# Altium PCB lora_gw_som_pcb.PcbDoc (part 1 of 3)
Units mm, origin at the board's own origin, x right, y up, seen from the top; angles counter-clockwise.
Board outline 30 x 50.95 mm, 6 copper layers (Top, GND-1, Signal-1, Signal-2, GND-2, Bottom), stack 0.926 mm thick; 205 components, 139 nets, 657 pads, 558 vias.
Unrouted connection lines stored in the file: 164.
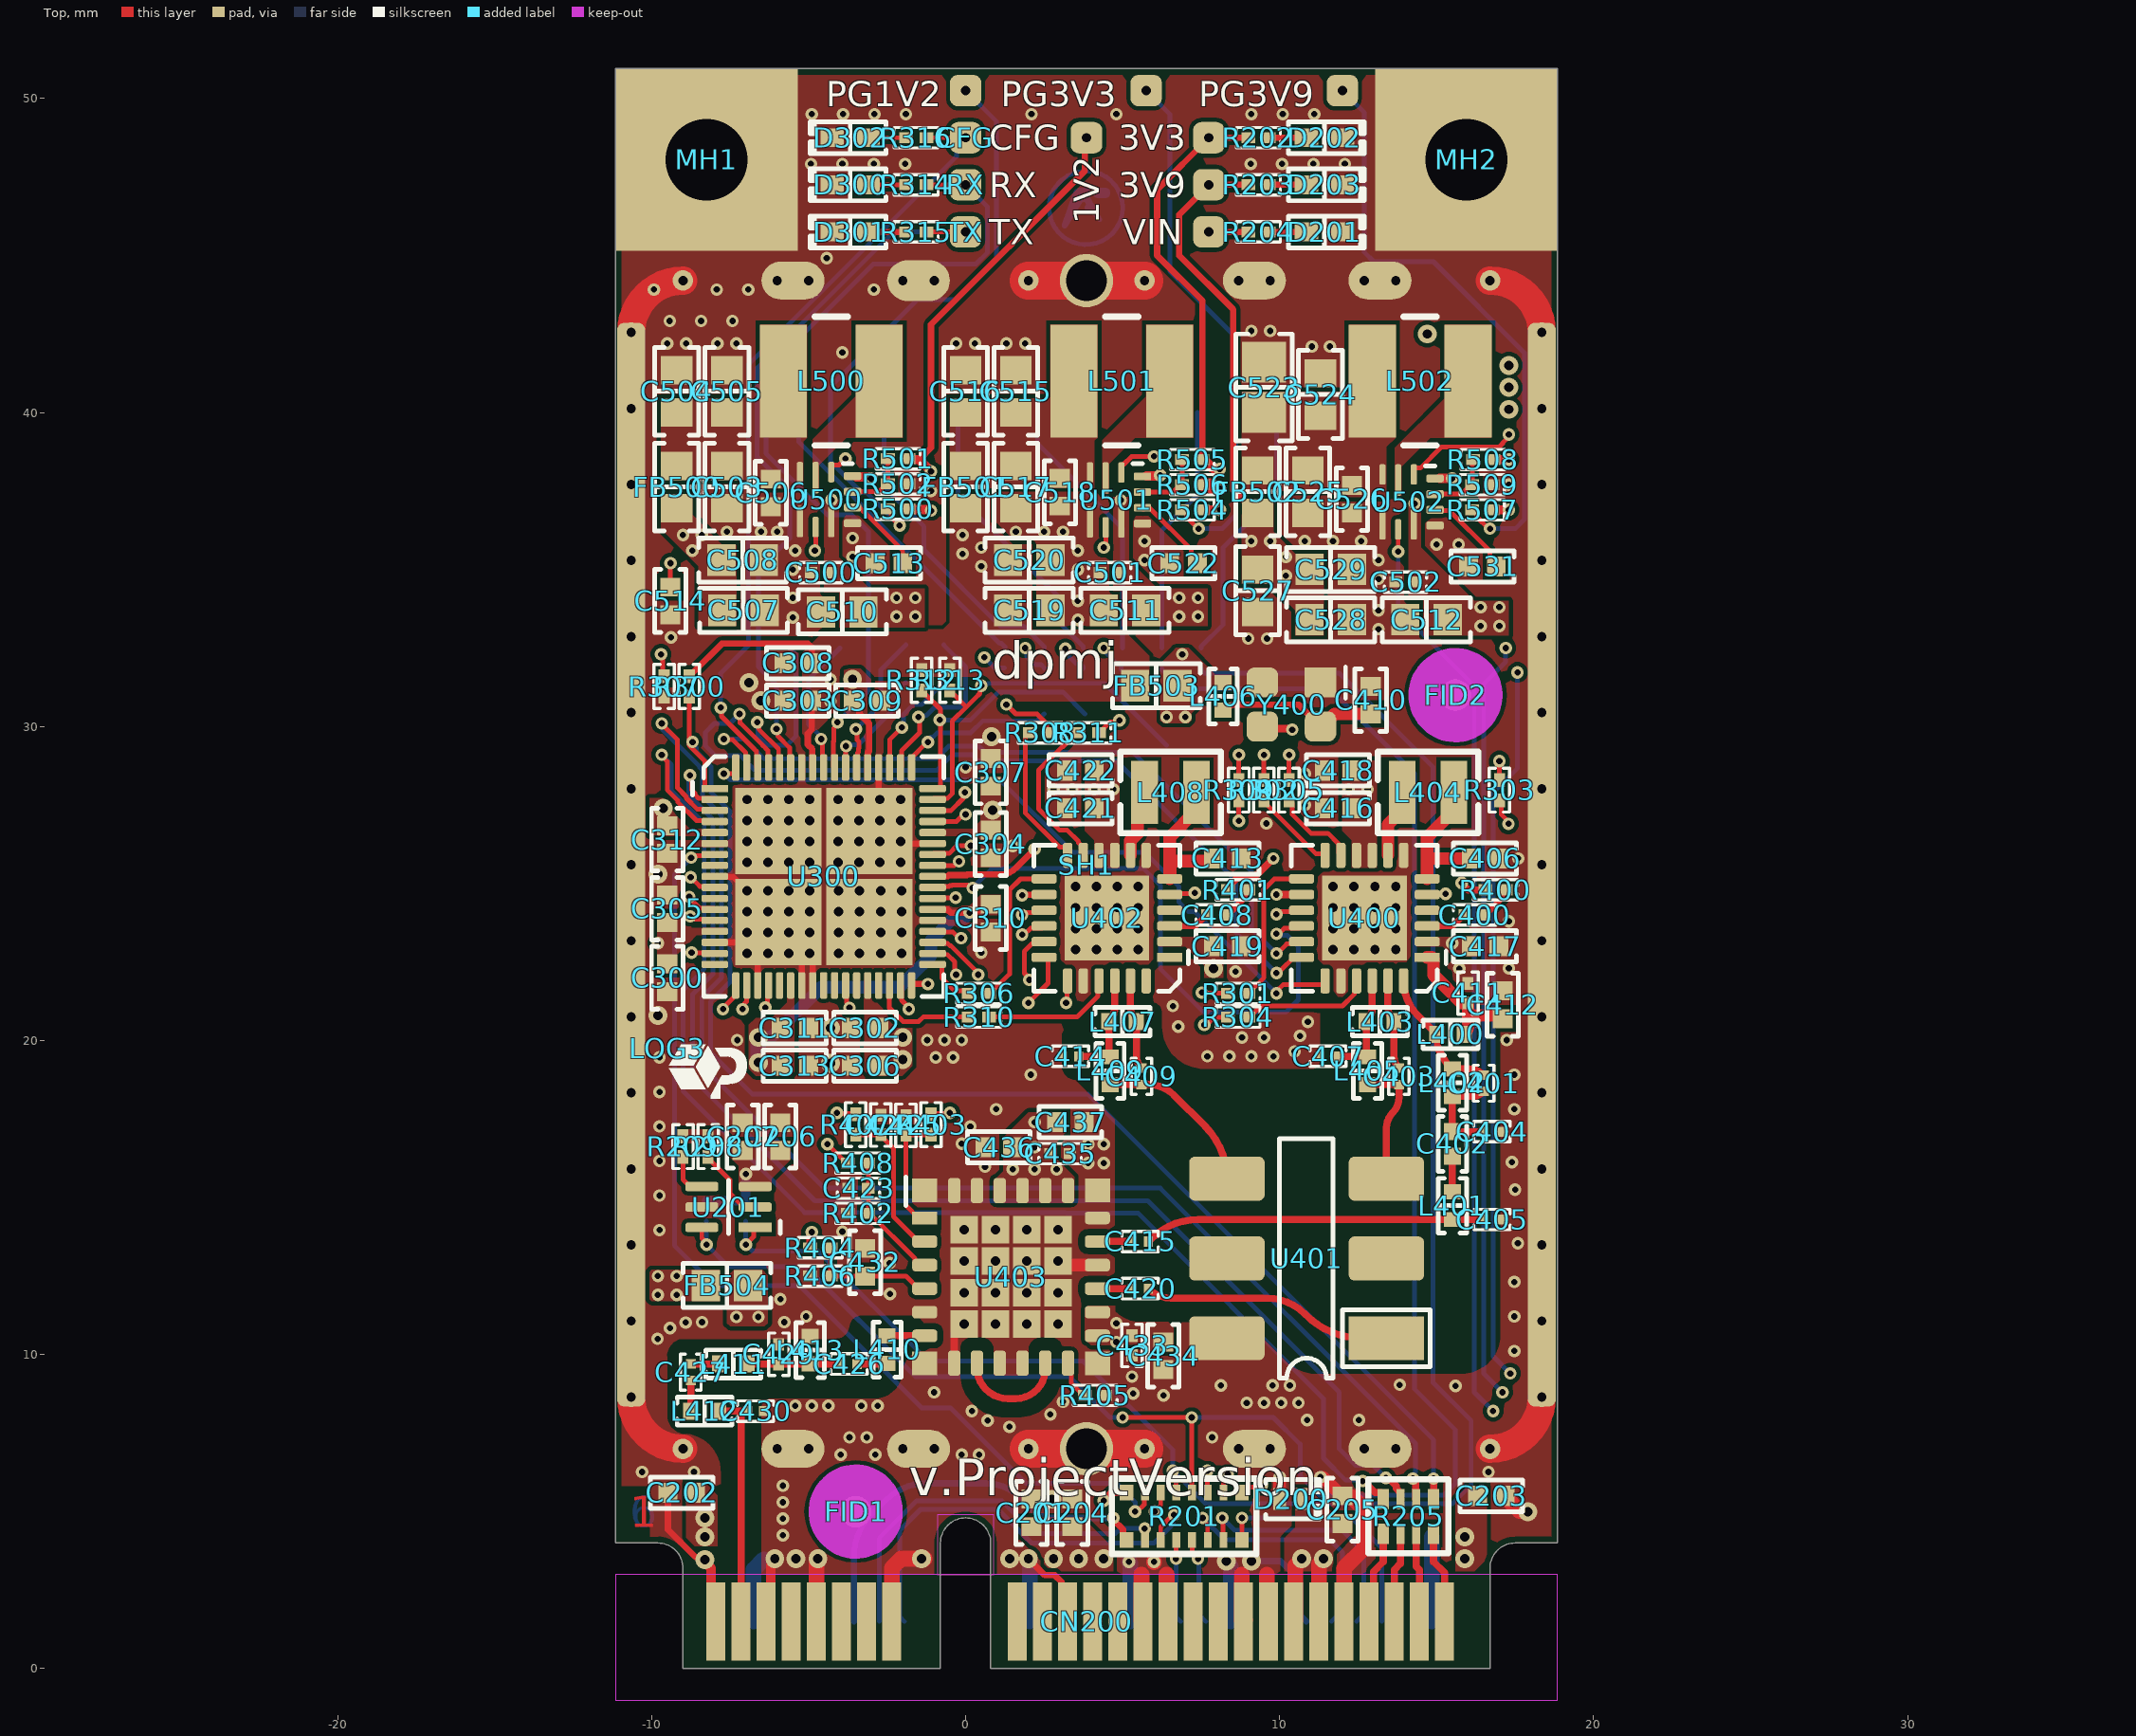
[diagram p0: Top view]
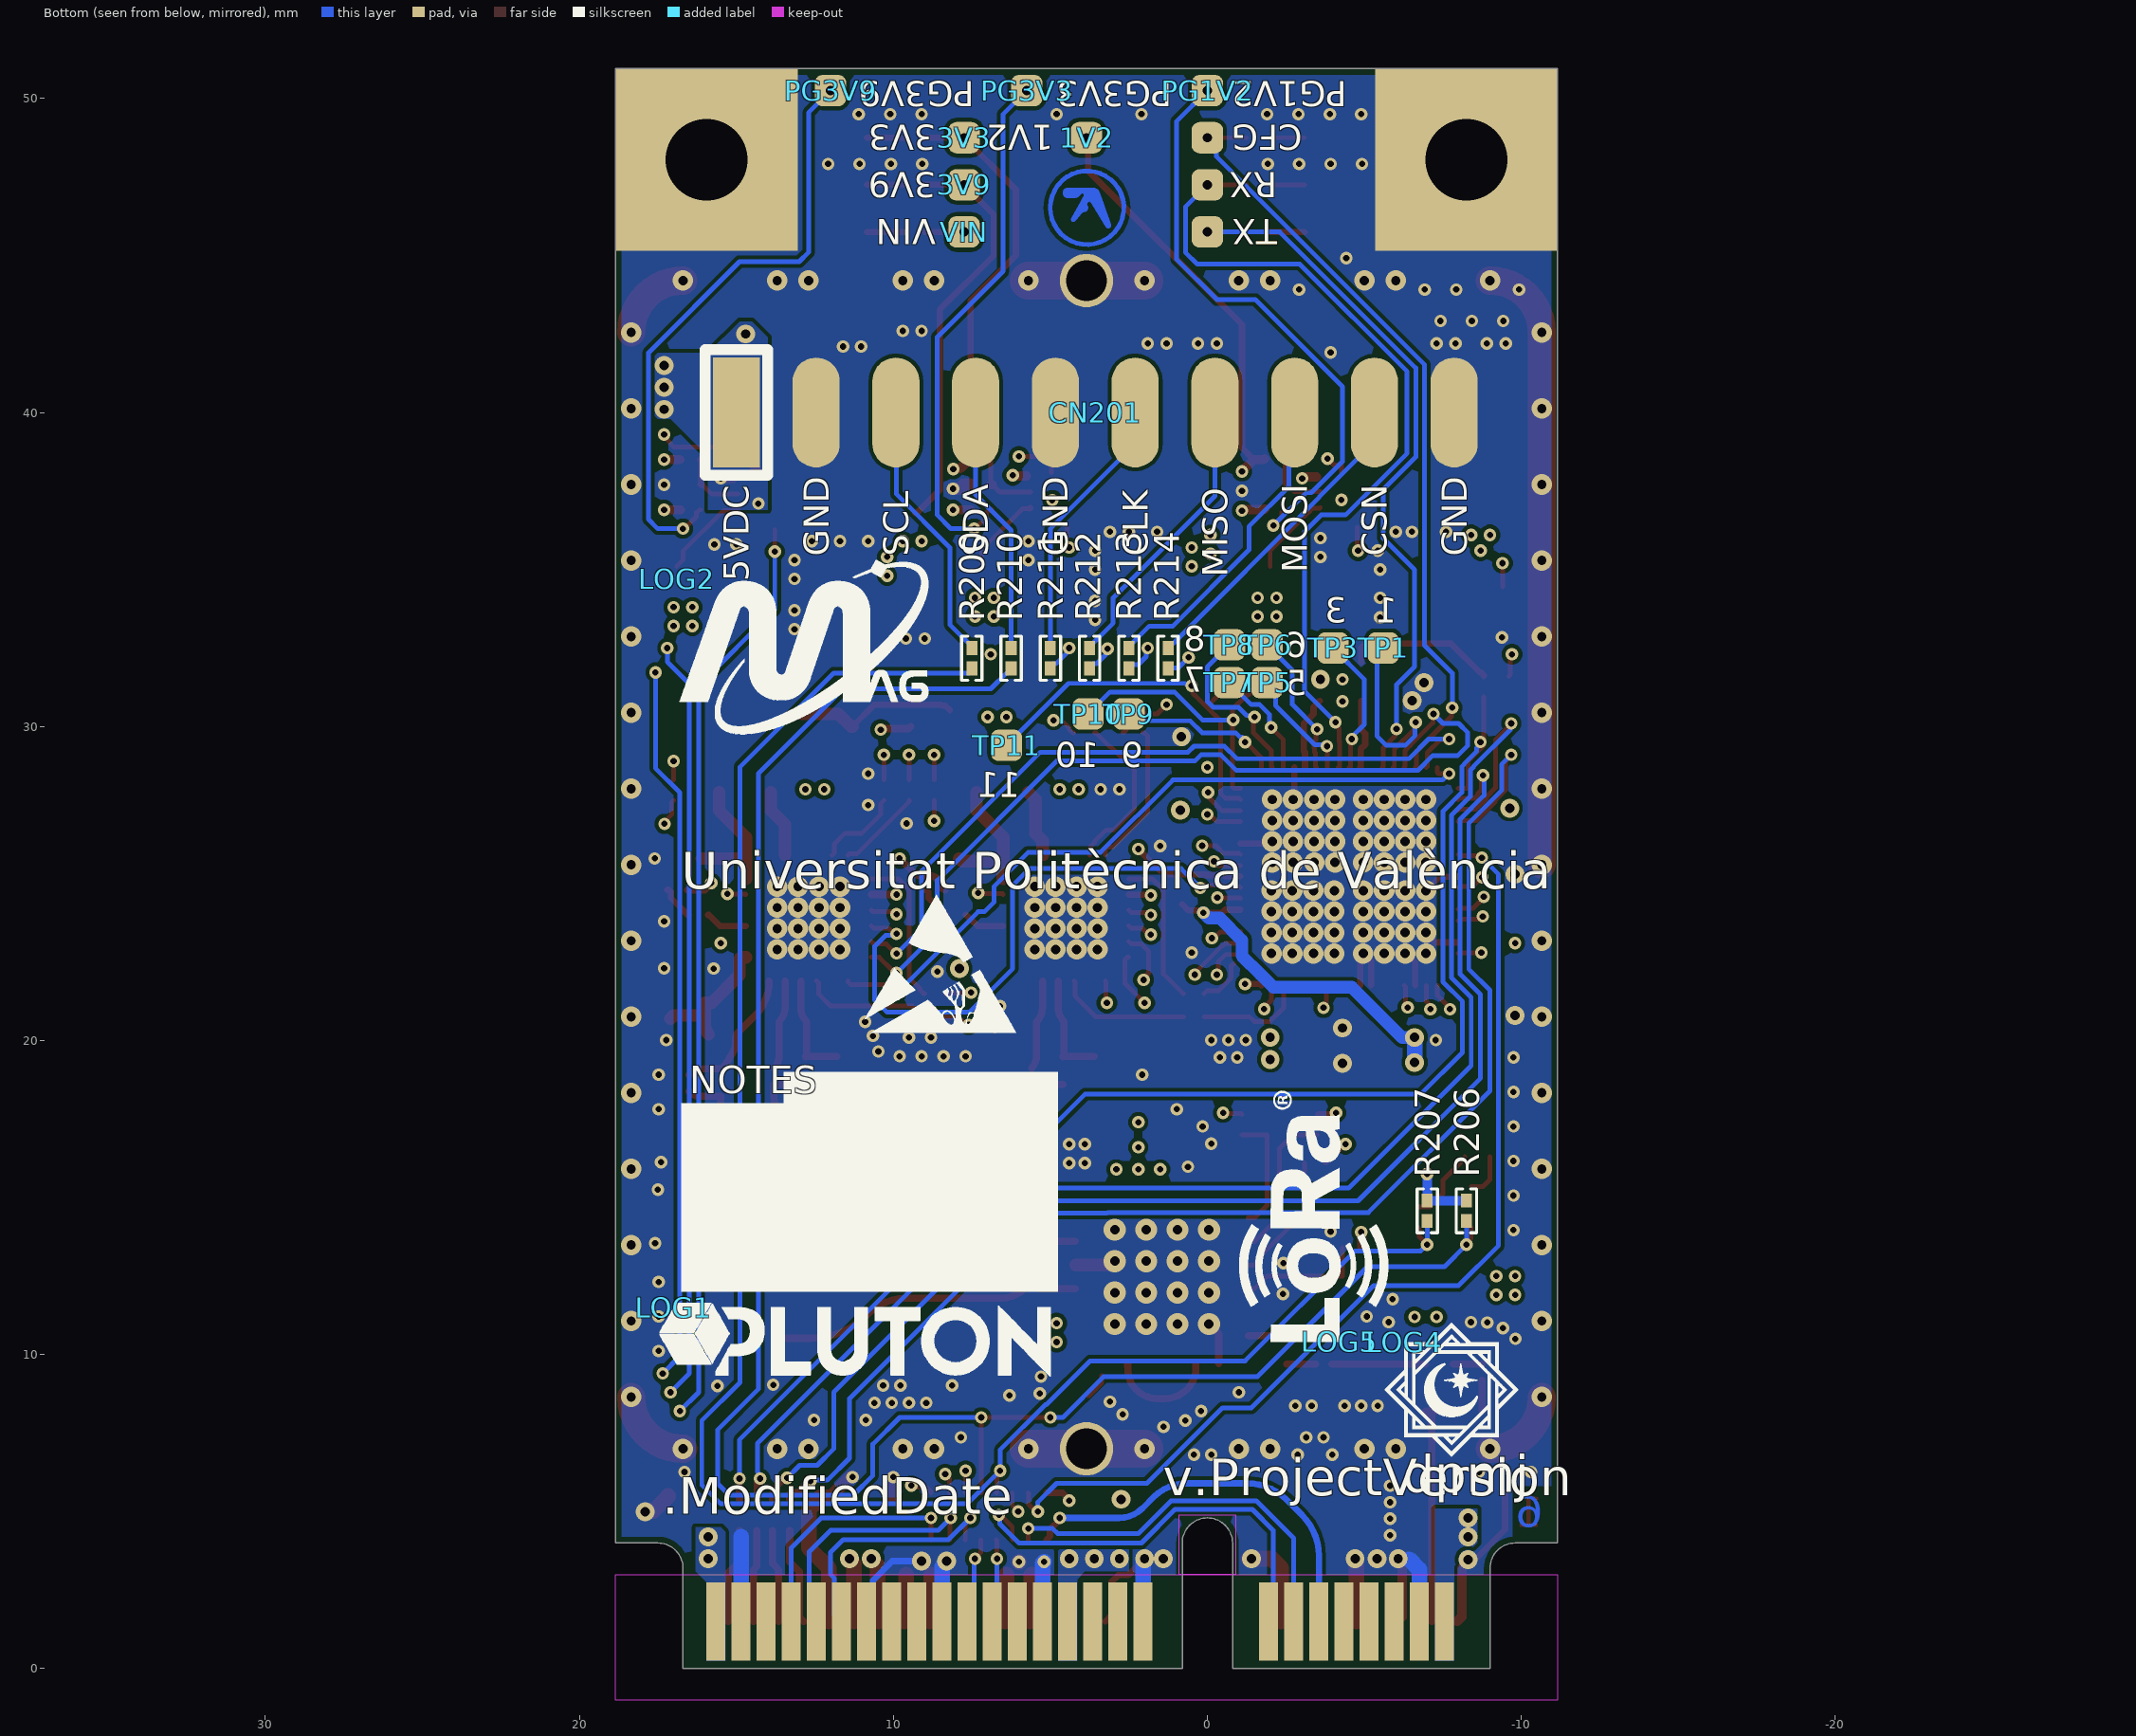
[diagram p1: Bottom view, seen from below]
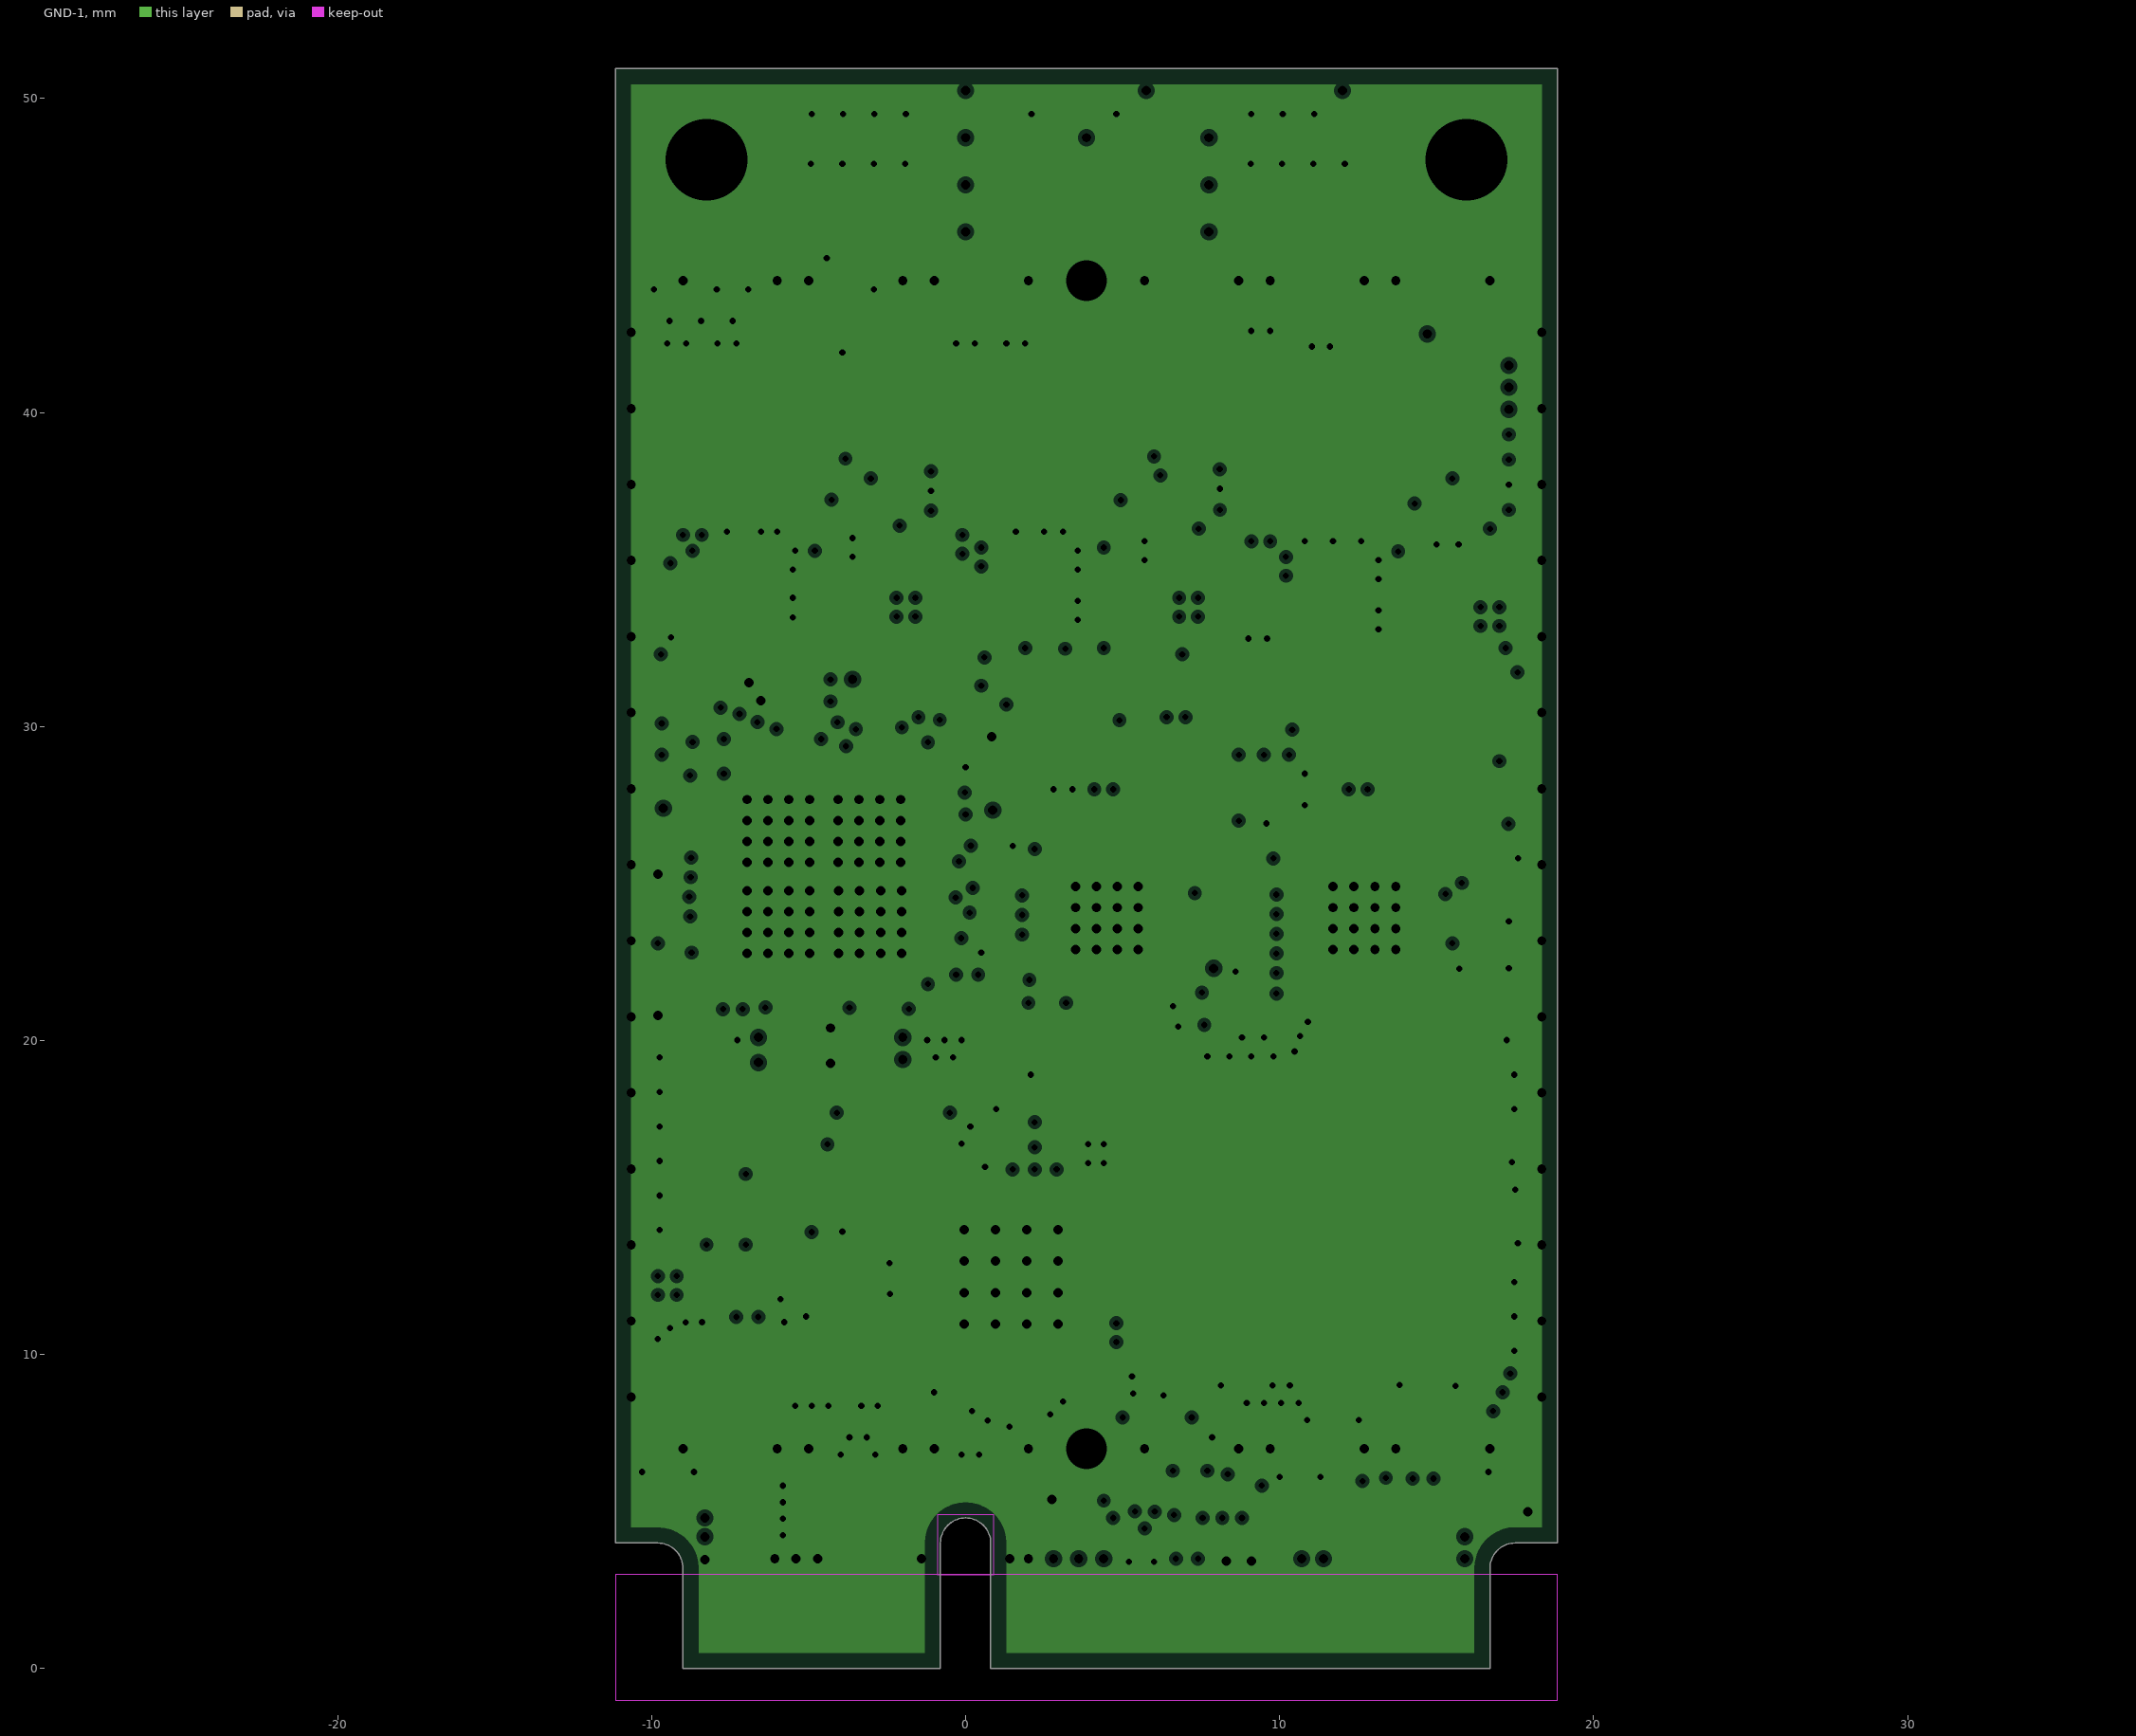
[diagram p2: GND-1, clearances drawn from the general rule]